# Altium PCB Copy of GameBoard_V1I1_083018.PcbDoc (part 9 of 21) (continued)
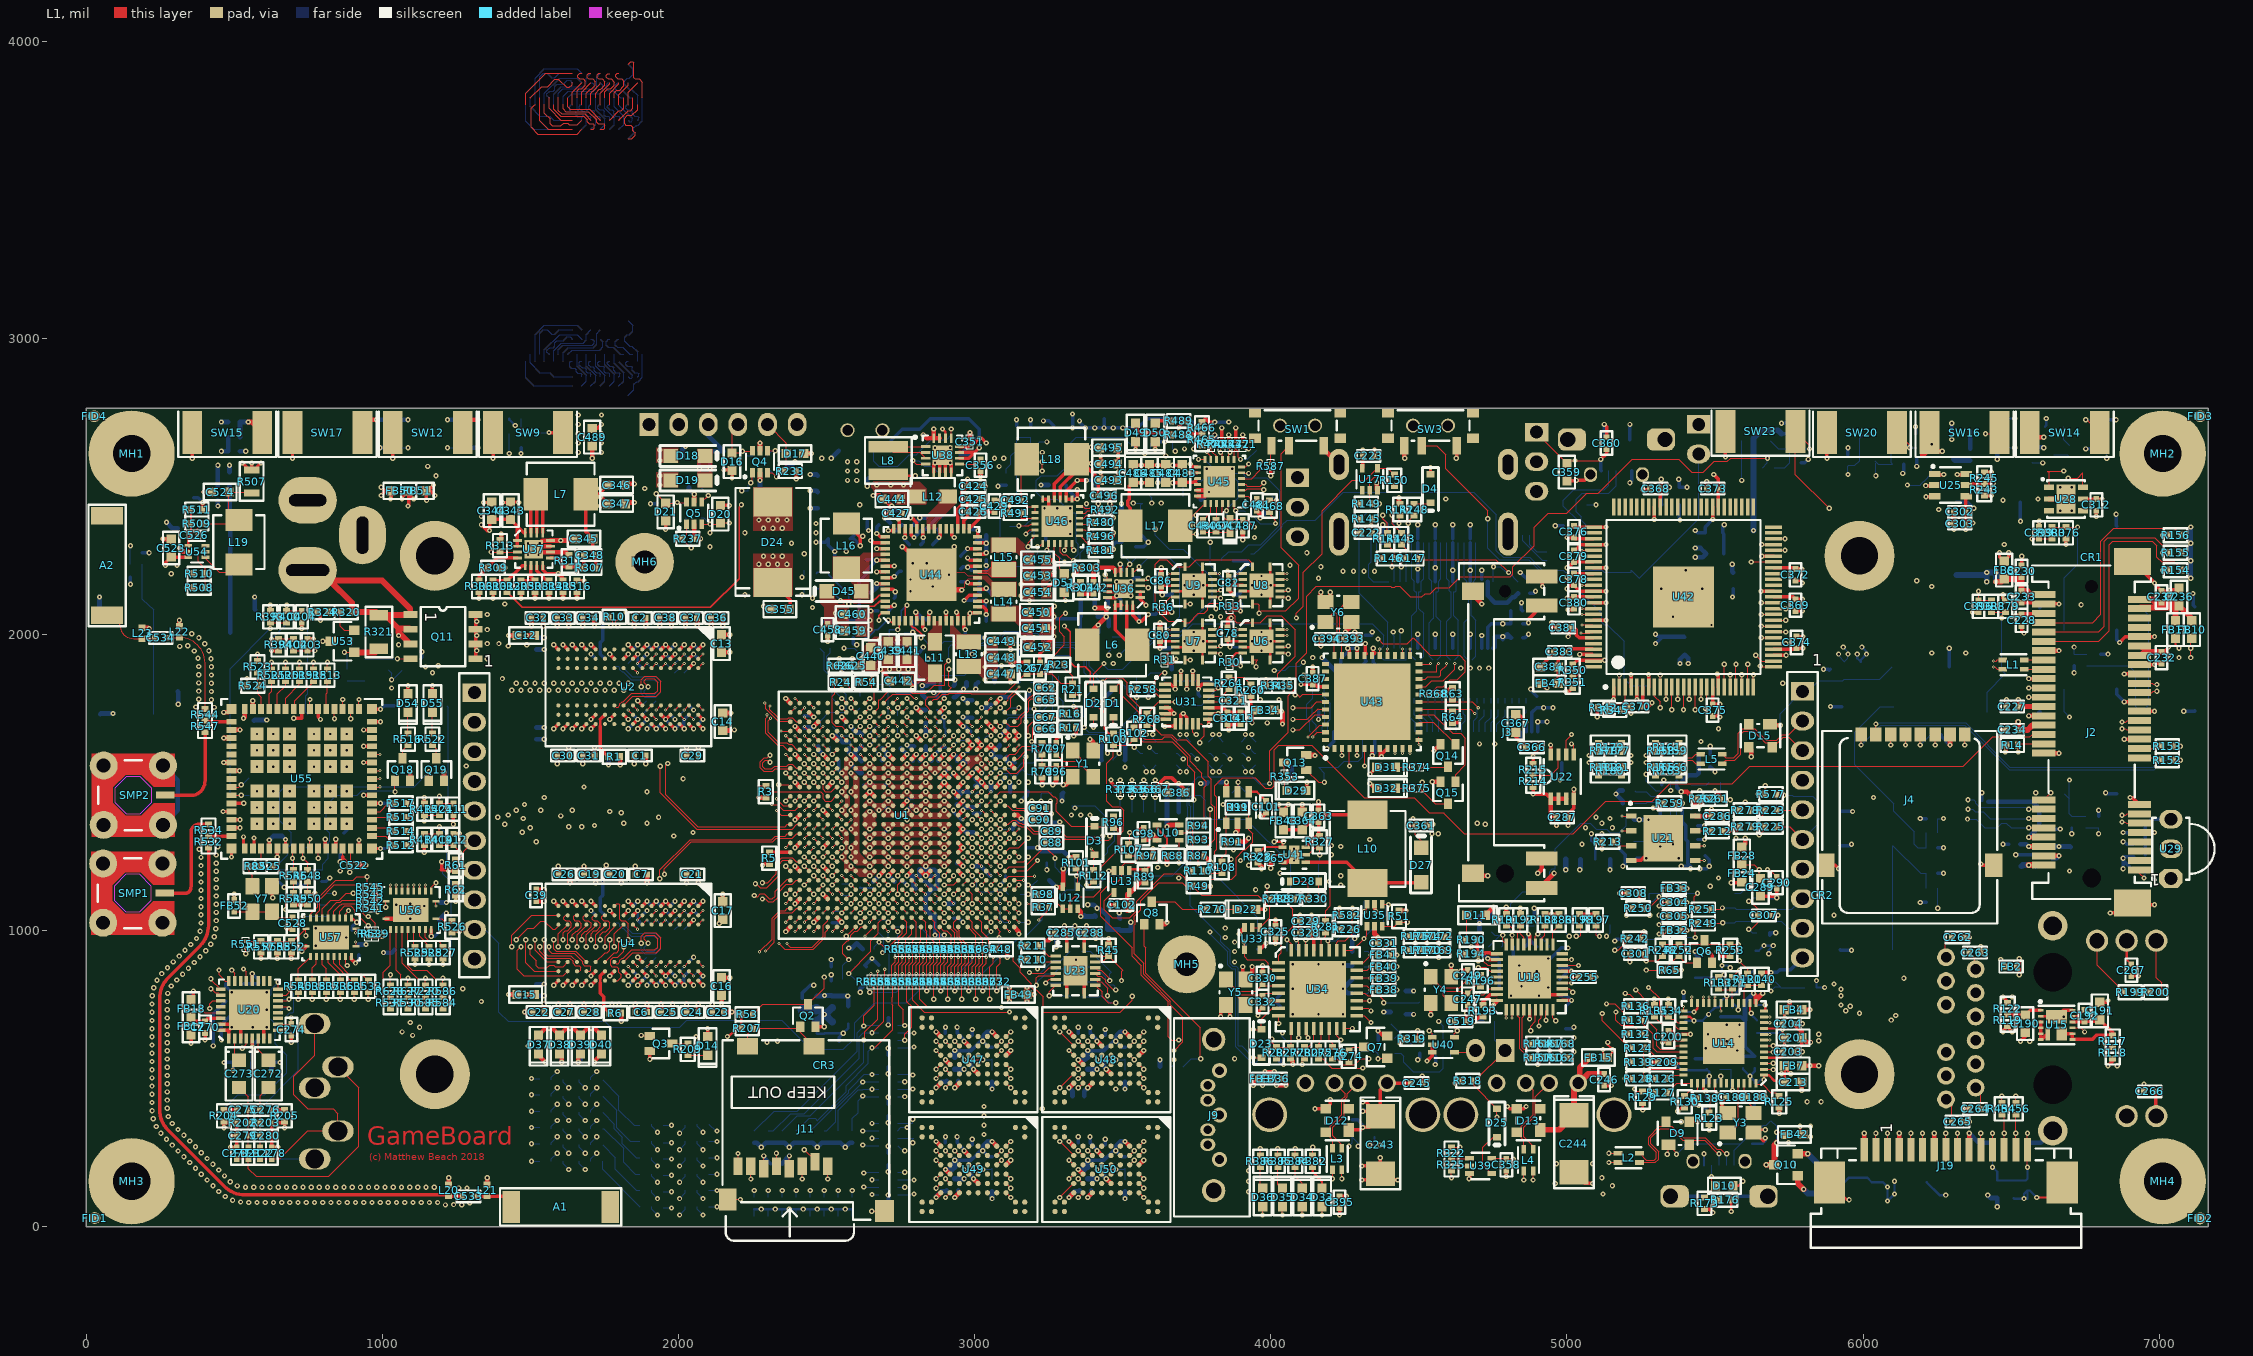
[diagram p0: L1 view]
## Nets (pads, with @x,y where several pads share a name; then routed paths per layer and width w, separated by ;. In a path a pad name is that pad's centre, name@x,y a point inside that pad or via, vN(x,y) a via of type N, cw(c..) or ccw(c..) an arc to the next point about the centre after c; other vN are vias at no path point) (continued)
BUT_LR: R379.1 R388.2 SW7.3 SW7.4 | length 490.3
  L1 w3.94: R388.2@6433.07,2074.8 R379.1@6480.32,2074.8 6468.5,2062.99 v1(6468.5,2055.12)
  L12 w3.94: SW7.3@6419.29,1737.2 6419.29,1805.12 6480.31,1866.14 6468.5,1877.95 v1(6468.5,2055.12) 6468.5,2066.93 6445.87,2089.57 SW7.4@6419.29,2089.57
BUT_LU: R376.1 R380.2 SW4.3 SW4.4 | length 501.3
  L1 w3.94: R380.2@6637.8,2362.2 R376.1@6685.04,2362.2 v1(6724.41,2362.2)
  L12 w3.94: SW4.3@6679.13,2012.8 6679.13,2190.94 6724.41,2236.22 v1(6724.41,2362.2) 6682.09,2362.2 SW4.4@6679.13,2365.16
BUT_R1: R406.1 R409.2 SW15.2 | length 140.7
  L1 w15.75: v1(547.24,2716.54) 559.06,2716.54 SW15.2@594.49,2681.1
  L12 w15.75: R409.2@519.69,2665.35 R406.1@519.69,2716.54 v1(547.24,2716.54)
BUT_R2: R407.1 R412.2 SW17.2 | length 170.2
  L1 w15.75: SW17.2@933.07,2681.1 933.07,2712.6 944.88,2724.41 v1(980.32,2724.41)
  L12 w15.75: v1(980.32,2724.41) R407.1@1015.75,2724.41 R412.2@1015.75,2673.23
BUT_RD: R393.1 R400.2 SW10.3 SW10.4 | length 696
  L1 w3.94: v1(622.05,2019.68) R393.1@622.05,2039.37 R400.2@677.17,2039.37
  L12 w3.94: SW10.4@486.22,1454.72 SW10.3@486.22,1807.09 486.22,1883.86 v1(622.05,2019.68)
BUT_RL: R394.1 R402.2 SW11.3 SW11.4 | length 591.8
  L1 w3.94: v1@629.92,1984.25 R402.2@700.79,1984.25
  L12 w3.94: v1(625.98,1984.25) 724.41,2082.68 SW11.3@748.03,2082.68 748.03,1799.42 741.14,1792.53 741.14,1737.2 SW11.4@748.03,1730.31
BUT_RR: R395.1 R403.2 SW13.3 SW13.4 | length 523.4
  L12 w3.94: R403.2@188.98,2236.22 R395.1@188.98,2192.91 188.98,2118.11 228.35,2082.68 SW13.4@228.35,1730.31
BUT_RU: R392.1 R398.2 SW8.3 SW8.4 | length 494.9
  L12 w15.75: R398.2@484.25,2500 484.25,2360.24 SW8.3@486.22,2358.27 SW8.4@486.22,2005.91
BUT_SEL_L1: R422.1 R424.2 SW21.3 SW21.4 | length 554.5
  L12 w3.94: SW21.4@6100.39,934.06 SW21.3@6100.39,1286.42 6193.9,1192.91 R422.1@6212.6,1192.91 R424.2@6212.6,1141.73
BUT_SEL_L2: R423.1 R428.2 SW22.3 SW22.4 | length 723.9
  L12 w3.94: SW22.3@6104.33,1754.92 6058.07,1754.92 5972.44,1669.29 5972.44,1559.06 6104.33,1427.17 SW22.4@6104.33,1402.56 6173.23,1333.66 6173.23,1291.34 6185.04,1279.53 R423.1@6212.6,1279.53 R428.2@6212.6,1330.71
BUT_SEL_R1: R414.1 R419.2 SW18.3 SW18.4 | length 525.4
  L1 w3.94: R414.1@1141.73,1326.77 R419.2@1192.91,1326.77 v1(1192.91,1350.39)
  L12 w3.94: v1(1192.91,1350.39) 1218.5,1324.8 SW18.3@1218.5,1286.42 1218.5,1224.11 1203.74,1209.35 1203.74,1192.23 1232.28,1163.68 1232.28,947.83 SW18.4@1218.5,934.06
BUT_SEL_R2: R415.1 R421.2 SW19.3 SW19.4 | length 522
  L1 w3.94: v1(1141.73,1370.08) R415.1@1141.73,1389.76 R421.2@1192.91,1389.76
  L12 w3.94: v1(1141.73,1370.08) 1178.15,1406.5 SW19.4@1218.5,1406.5 1223.43,1406.5 1223.43,1753.94 SW19.3@1218.5,1758.86
CAN_N: C309.1 J12.8 R246.1 R251.2 U26.6 | length 334.4
  L1 w3.94: R251.2@5480.32,1070.87 5519.69,1070.87 v1(5525,1076.18)
  L12 w3.94: v1(5525,1076.18) U26.6@5566.93,1076.18 5572.24,1070.87 R246.1@5641.73,1070.87 C309.1@5685.04,1070.87 5759.06,1070.87 J12.8@5795.28,1107.09
CAN_P: C306.1 J12.9 R241.2 R249.2 U26.7 | length 328.3
  L1 w3.94: R249.2@5480.32,1023.62 5523.62,1023.62 v1(5526.18,1026.18)
  L12 w3.94: v1(5526.18,1026.18) U26.7@5566.93,1026.18 5572.24,1031.5 R241.2@5641.73,1031.5 C306.1@5685.04,1031.5 5724.41,1031.5 5748.82,1007.09 J12.9@5795.28,1007.09
CFF: C192.2 U15.11 | length 49.9
  L1 w7.87: U15.11@6707.09,710.63 6726.38,710.63 C192.2@6748.03,732.28
CHARGE_C\E\: R474.1 R480.2 TP50.1 U1.R22 U45.9 | length 3805.8
  L1 w3.66: U1.R22@2692.91,1106.3 v2(2708.66,1090.55) ; R480.2@3444.88,2377.95 3444.88,2374.02 3464.57,2393.7 v1(3468.5,2393.7) ; R474.1@3834.65,2631.3 3830.71,2627.36 v1(3830.71,2614.17) 3836.61,2608.27 U45.9@3836.61,2590.55
  L3 w3.66: v1(2106.3,2295.28) 2334.65,2295.28 2346.46,2307.09 v1(2381.89,2307.09) ; v1(2612.2,2437.01) 2677.17,2437.01 2696.85,2456.69 2865.94,2456.69 2936.8,2385.83 3200.79,2385.83 3228.35,2358.27 3266.59,2396.52 3328.89,2396.52 3337.46,2387.95 3337.46,2373.58 3357.77,2353.27 3428.08,2353.27 v1(3468.5,2393.7)
  L10 w3.66: v1(2106.3,2295.28) 2222.42,2179.15 2274.34,2179.15 2325.22,2128.28 2325.22,2091.63 2488.62,1928.24 2488.62,1763.03 2496.21,1755.43 2496.21,1702.38 2551.05,1647.54 2551.05,1641.73 2568.47,1624.31 2615.85,1624.31 2636.4,1603.76 2654.88,1603.76 2661.35,1610.24 2716.54,1610.24 2728.4,1598.37 2728.4,1370.02 2736.22,1362.2 2736.22,1248.03 2755.91,1228.35 2755.91,1180.1 2741.16,1165.35 2740.16,1165.35 2740.16,1142.73 2708.66,1111.24 v2(2708.66,1090.55) ; v1(2381.89,2307.09) 2381.89,2311.89 2449.94,2379.95 2449.94,2380.07 2458.51,2388.64 2458.64,2388.64 2522.75,2452.76 2629.92,2452.76 2614.17,2437.01 v1(2612.2,2437.01) ; v1(3468.5,2393.7) 3641.73,2393.7 3830.71,2582.68 v1(3830.71,2614.17)
  L12 w3.66: TP50.1@3429.13,2401.57 3437.01,2393.7 v1(3468.5,2393.7)
CHARGE_C\E\2: R480.1 U46.9 | length 53.6
  L1 w3.94: U46.9@3354.33,2372.05 3399.61,2372.05 R480.1@3405.51,2377.95
CHARGE_INT: R472.1 R481.2 TP48.1 U1.T25 U45.7 | length 6633.8
  L1 w3.94: v3(2629.92,980.31) U1.T25@2661.42,1011.81 ; v1(3385.83,2283.46) R481.2@3405.51,2283.46 ; U45.7@3875.98,2590.55 3876.97,2591.54 3876.97,2619.88 3881.89,2624.8 3889.76,2616.93 3889.76,2598.43 v1(3897.64,2590.55)
  L3 w3.94: v2(1425.2,1960.63) 1451.56,1960.63 1456.69,1955.5 1379.15,1877.95 1261.19,1877.95 1232.28,1849.04 1232.28,1584.03 1248.03,1568.28 1248.03,1386.5 1287.23,1347.3 1345.61,1347.3 1374.86,1318.05 1374.86,1157.31 1401.57,1130.6 1401.57,882.57 1398.62,879.61 1398.62,778.54 1521.77,655.39 1556.01,655.39 1556.88,654.53 1710.84,654.53 1721.8,665.49 1894.38,665.49 1957.51,602.36 2184.36,602.36 2235.55,653.54 2374.13,653.54 2486.33,765.75 2499.22,765.75 2560.04,826.56 2560.04,933.34 2560.78,934.08 2560.04,934.83 2560.04,947.06 2568.69,955.71 2581.69,955.71 v4(2618.11,992.13) ; v1(1885.83,2492.13) 1888.78,2489.17 1944.57,2489.17 2002.64,2547.24 2038.18,2547.24 2064.75,2573.82 2155.72,2573.82 2166.55,2562.99 2227.67,2562.99 2247.36,2543.31 2273.45,2543.31 2276.4,2546.26 2346.26,2546.26 2371.9,2520.62 2374.91,2523.62 2378.73,2523.62 2391.52,2510.83 2403.75,2510.83 2416.55,2523.62 2518.33,2523.62 2518.33,2505.29 2602.36,2421.26 2664,2421.26 2667.94,2417.32 2894.37,2417.32 2933.6,2378.09 3039.23,2378.09 3188.98,2228.35 3342.52,2228.35 3385.83,2271.65 v1(3385.83,2283.46) 3403.6,2283.46 3440.02,2319.88 3492.43,2319.88 3499.32,2326.77 3738.96,2326.77 3741.92,2323.82 3754.15,2323.82 3776.78,2346.46 3925.2,2346.46 v1(3944.88,2326.77)
  L10 w3.94: v2(1425.2,1960.63) 1431.1,1960.63 1441.93,1971.46 1441.93,2002.18 1433.07,2011.04 1433.07,2120.08 1805.12,2492.13 v1(1885.83,2492.13) ; v1(3897.64,2590.55) 3897.64,2374.02 v1(3944.88,2326.77)
  L2 w3.94: v4(2618.11,992.13) v3(2629.92,980.31)
  L12 w3.94: v1(3897.64,2590.55) 3921.26,2590.55 TP48.1@3952.76,2622.05
CHARGE_INT2: R481.1 U46.7 | length 110.9
  L1 w3.94: U46.7@3354.33,2332.68 3356.3,2332.68 3385.83,2303.15 3425.2,2303.15 R481.1@3444.88,2283.46
COMP_1V375: C342.2 R303.2 U36.8 | length 137.5
  L1 w15.75: C342.2@3401.57,2177.17 3401.57,2220.47 R303.2@3397.64,2224.41 3468.5,2224.41 3474.41,2218.5 U36.8@3474.41,2209.05
COMP_3V3_HDR: C349.2 R315.2 U37.8 | length 134.2
  L1 w11.81: U37.8@1541.34,2231.89 1541.34,2218.5 1555.12,2204.72 v1(1594.49,2204.72) 1610.24,2188.98 R315.2@1610.24,2181.1
  L12 w11.81: v1(1594.49,2204.72) 1594.49,2200.79 C349.2@1614.17,2181.1
COMP_BYP: C322.1 C323.1 U30.2 | length 93.2
  L12 w3.66: C323.1@5228.35,1429.13 C322.1@5267.72,1429.13 5271.65,1433.07 U30.2@5319.88,1433.07
COMP_C1: C320.1 U30.15 | length 53.1
  L12 w3.94: C320.1@5358.27,1354.33 5370.08,1366.14 U30.15@5370.08,1402.56
COMP_CRST: C324.1 R263.2 U30.8 | length 130.5
  L12 w15.75: U30.8@5389.76,1502.95 5389.76,1503.94 5409.45,1523.62 5437.01,1523.62 5444.88,1531.5 R263.2@5444.88,1594.49
COMP_INT: R47.1 R255.2 R257.2 U1.N25 | length 4178.6
  L1 w3.94: v2(2677.17,960.63) 2692.77,945.03 2710,945.03 2755.91,990.93 U1.N25@2755.91,1011.81
  L3 w3.94: v2(2677.17,960.63) 2660.07,960.63 2622.05,922.61 2622.05,861.48 2641.69,841.83 2695.2,841.83 2747.07,893.7 3056.7,893.7 3119.69,830.71 3215.99,830.71 3233.69,848.41 3265.76,848.41 3291.34,822.83 3359.32,822.83 3434.12,897.64 3514.23,897.64 3521.55,890.31 3532.49,890.31 3662.83,759.98 3774.46,759.98 3834.51,820.03 3834.51,896.82 3846.46,908.77 v1(3846.46,976.38) v1@3846.46,984.25 ; v1(3874.02,1271.65) 3880.91,1271.65 3882.38,1270.18 3899.61,1287.4 3966.59,1287.4 3993.17,1260.83 4022.64,1260.83 4032.48,1250.98 4111.22,1250.98 4129.92,1232.28 4250.98,1232.28 4286.42,1267.72 5060.43,1267.72 5101.17,1308.46 5136.42,1308.46 5173.23,1345.26 5173.23,1347.65 5159.66,1361.22 5158.46,1361.22 5145.67,1374.02 v1(5145.67,1377.95)
  L10 w3.94: v1(3846.46,976.38) 3846.46,984.25 3846.46,986.99 3831.69,1001.76 3831.69,1013.99 3838.58,1020.88 3838.58,1077.39 3815.94,1100.03 3815.94,1229.33 3858.27,1271.65 v1(3874.02,1271.65) ; v1(5145.67,1377.95) 5185.04,1338.58 5290.35,1443.9 5548.23,1443.9 v1(5551.18,1440.94)
  L12 w3.94: R47.1@2661.42,937.01 2661.42,944.88 v2(2677.17,960.63) ; R255.2@5519.69,1500 R257.2@5519.69,1444.88 5547.24,1444.88 v1(5551.18,1440.94)
COMP_INT1: R257.1 U30.11 | length 63.3
  L12 w3.94: U30.11@5420.28,1452.76 5472.44,1452.76 R257.1@5480.32,1444.88
COMP_INT2: R255.1 U30.9 | length 63.3
  L12 w3.94: U30.9@5420.28,1492.13 5472.44,1492.13 R255.1@5480.31,1500
COMP_RST: R265.2 U30.16 U32.4 | length 196.6
  L12 w3.94: U32.4@5226.38,1301.18 5269.69,1301.18 R265.2@5275.59,1307.09 5299.21,1330.71 5330.71,1330.71 5334.65,1334.65 5334.65,1370.08 5350.39,1385.83 U30.16@5350.39,1402.56
COMP_SA1: R261.1 R262.1 U30.10 | length 71.5
  L1 w3.94: v1(5448.82,1472.44) 5476.38,1444.88 R261.1@5480.31,1444.88
  L12 w3.94: U30.10@5420.28,1472.44 v1(5448.82,1472.44)
CPU_BT_EN: R623.1 U1.B20 | length 5562.8
  L1 w3.66: U1.B20@3102.36,1169.29 3116,1182.93 v3(3202.62,1182.93)
  L3 w3.66: v1(732.28,1047.24) 712.6,1027.56 712.6,988.19 850.39,850.39 940.94,850.39 1040.49,750.85 1040.49,749.85 1053,737.34 1352.14,737.34 1441.83,647.66 1552.81,647.66 1553.67,646.79 1714.04,646.79 1714.91,647.66 1722.42,647.66 1783.46,586.61 2468.5,586.61 2535.43,519.68 2535.43,249.58 2556.25,228.76 2709.07,228.76 2889.76,409.45 2990.41,409.45 3016.85,435.89 3044.08,435.89 3112.15,367.81 3240.7,367.81 3250.84,377.95 3283.46,377.95 3314.69,409.17 3637.8,409.17 3795.55,566.93 v1(3877.95,566.93)
  L3 w3.94: v4(3214.43,1171.12) 3230.45,1171.12 3240.16,1161.42 3283.19,1161.42 3305.83,1138.78 3384.07,1138.78 3398.83,1153.54 3686.23,1153.54 3710.84,1178.15 3749.34,1178.15 3764.1,1192.91 3827.25,1192.91 3860.6,1159.57 3927.05,1159.57 v1(3948.82,1137.8)
  L10 w3.94: v1(3877.95,566.93) 3877.95,603.23 3885.69,610.97 3885.69,695.78 4010.83,820.91 4010.83,871.06 3937.01,944.88 3937.01,1060.41 3948.82,1072.22 v1(3948.82,1137.8)
  L2 w3.94: v3(3202.62,1182.93) v4(3214.43,1171.12)
  L12 w3.66: v1(732.28,1047.24) R623.1@814.96,1047.24
CPU_GPIO0: R280.2 U1.D18 | length 2323.8
  L1 w3.66: U1.D18@3039.37,1232.28 v3(3055.12,1216.54) ; v1(4106.3,547.24) 4106.3,559.05 R280.2@4114.17,566.93
  L3 w3.66: 3070.87,1232.28 v4(3066.93,1228.35) 3069.74,1231.16 3092.67,1231.16 3098.3,1225.53 3181.23,1225.53 3210.48,1254.78 3255.91,1254.78 3263.5,1262.38 3280.93,1262.38 3294.42,1248.88 3294.42,1246.22 3308.49,1232.15 3540.61,1232.15 3560.15,1212.6 v1(3618.11,1212.6)
  L10 w3.66: v1(3618.11,1212.6) 3676.04,1154.67 3725.86,1154.67 3783.26,1212.07 3783.26,1223.61 3780.65,1226.23 3780.65,1238.34 3825.77,1283.46 3834.65,1283.46 3837.46,1286.28 3980.54,1286.28 4028.91,1334.65 4142.6,1334.65 4150.34,1326.91 4182.11,1326.91 4197.58,1342.38 4203.99,1342.38 4219.46,1326.91 4236.08,1326.91 4248.17,1314.82 4248.17,1310.47 4263.64,1295 4263.64,1238.92 4248.17,1223.45 4248.17,1193.77 4250.85,1191.1 4250.85,1181.16 4267.44,1164.56 4267.44,1144.52 4251.97,1129.05 4251.97,960.98 4267.44,945.51 4267.44,692.96 4251.65,677.17 4204.72,677.17 4204.72,645.67 v1(4106.3,547.24)
  L2 w3.94: v3(3055.12,1216.54) v4(3066.93,1228.35)
CPU_GPIO1: R281.2 U1.E18 | length 1499.7
  L1 w3.66: U1.E18@3007.87,1232.28 v3(3023.62,1216.54)
  L1 w3.94: R281.2@4185.04,1031.5 4185.04,1066.93 4200.79,1082.68 4200.79,1161.42 v1(4196.85,1165.35)
  L3 w3.66: v4(3035.43,1228.35) 3038.25,1231.16 3038.25,1251.85 3049.06,1262.66 3187.23,1262.66 3194.82,1255.06 3200.01,1255.06 3207.33,1262.38 3249.51,1262.38 3257.1,1269.98 3274.98,1269.98 3276.38,1271.38 3357.29,1271.38 3381.32,1247.34 3472.99,1247.34 3481.55,1255.91 3521.26,1255.91 3537.43,1239.74 3543.75,1239.74 3559.09,1224.41 3604.96,1224.41 3651.39,1270.84 3807.39,1270.84 3816.54,1261.7 3816.54,1246.45 3816.86,1246.14 3827.8,1246.14 3832.38,1241.55 3832.38,1231.74 3873.47,1190.65 3939.92,1190.65 3953.68,1176.89 4011.49,1176.89 4035.89,1152.49 4074.1,1152.49 4094.56,1172.95 4189.25,1172.95 v1(4196.85,1165.35)
  L2 w3.94: v3(3023.62,1216.54) v4(3035.43,1228.35)
CPU_GPIO2: R282.2 U1.E23 | length 1605.9
  L1 w3.66: U1.E23@3007.87,1074.8 v2(3023.62,1059.06)
  L1 w3.94: v1(3984.25,598.43) 4015.75,566.93 R282.2@4019.69,566.93
  L3 w3.66: v2(3023.62,1059.06) 3023.62,993 3063.72,952.89 3087.48,952.89 3127.66,912.71 3127.66,898.5 3140.33,885.83 3370.22,885.83 3385.96,901.57 3401.57,901.57 3428.86,928.86 3526.77,928.86 3534.37,921.26 3590.24,921.26 3663.57,994.59 v1(3794.8,994.59)
  L12 w3.66: v1(3794.8,994.59) 3788.45,994.59 3855.45,927.59 3855.45,884.38 3868.63,871.2 3880.77,871.2 3882.03,869.94 3882.03,607.03 3941.82,547.24 3985.12,590.55 3984.25,591.42 v1(3984.25,598.43)
CPU_WIFI_LS_EN: R551.1 U1.C19 | length 6725
  L1 w3.66: U1.C19@3070.87,1200.79 v3(3086.61,1185.04)
  L1 w3.94: v1(539.37,921.26) R551.1@539.37,942.32
  L3 w3.94: v1(1413.39,2102.36) 1472.44,2102.36 1488.19,2118.11 1488.19,2141.73 1500,2153.54 2157.48,2153.54 2181.1,2177.17 2370.08,2177.17 2409.45,2216.54 2409.45,2255.91 v1(2425.2,2271.65) ; v4(3098.43,1173.23) 3133.86,1173.23 3152.95,1192.32 3224.48,1192.32 3243.58,1173.23 3282.51,1173.23 3294.32,1161.42 3364.95,1161.42 3371.84,1168.31 3397.27,1168.31 3398.96,1166.61 3678.43,1166.61 v1(3688.98,1177.17)
  L10 w3.94: v1(539.37,921.26) 618.11,921.26 729.33,1032.48 738.4,1032.48 741.35,1035.43 811.02,1035.43 845.47,1000.98 936.6,1000.98 941.62,1006 946.64,1000.98 958.87,1000.98 967.52,1009.63 967.52,1021.86 962.5,1026.88 967.52,1031.9 967.52,1053.36 963.58,1057.3 963.58,1195.87 999.02,1231.3 1008.86,1231.3 1008.86,1753.16 1000,1762.02 1000,1858.27 1044.09,1902.36 1057.1,1902.36 1060.25,1905.51 1159.45,1905.51 1160.43,1904.53 1160.43,1883.65 1151.78,1875 1150.59,1875 1149.61,1874.02 1149.61,1862.2 1161.42,1850.39 1181.1,1850.39 1216.54,1885.83 1216.54,1913.39 1232.28,1929.13 1326.77,1929.13 1338.58,1940.94 1389.76,1940.94 1410.43,1961.61 1410.43,2099.41 v1(1413.39,2102.36) ; v1(2425.2,2271.65) 2531.5,2165.35 2582.68,2165.35 2591.54,2156.5 2677.87,2156.5 2708.39,2125.98 2717.99,2125.98 2722.91,2121.06 2726.59,2121.06 2743.11,2104.54 2743.11,2092.31 2740.16,2089.36 2740.16,2086.61 2762.59,2086.61 2765.54,2083.66 2777.77,2083.66 2786.42,2092.31 2786.42,2093.5 2855.31,2093.5 2885.83,2062.99 2894.48,2062.99 2897.43,2060.04 2912.4,2060.04 2953.74,2018.7 2953.74,2009.63 2962.39,2000.98 2974.62,2000.98 2987.88,2014.25 3057.38,2014.25 3099.18,1972.44 3106.3,1972.44 3113.19,1979.33 3140.75,1979.33 3154.53,1993.11 3154.53,1994.3 3163.18,2002.95 3181.1,2002.95 3184.05,2005.91 3218.09,2005.91 3248.03,1975.96 3290.93,1975.96 3318.9,2003.94 3602.36,2003.94 3649.61,1956.69 3649.61,1925.97 3674,1901.57 3674.23,1901.57 3675.21,1900.59 3702.45,1900.59 3712.29,1890.75 3758.86,1890.75 3776.14,1873.46 3846.94,1873.46 3858.2,1862.2 3964.57,1862.2 3989.17,1886.81 3989.17,1887.33 4002.43,1900.59 4021.19,1900.59 4034.45,1887.33 4034.45,1868.58 4014.49,1848.62 4014.49,1833.93 4011.81,1831.26 4011.81,1762.52 4004.92,1755.63 4004.92,1716.07 4017.01,1703.98 4017.01,1562.52 3951.81,1497.32 3950.08,1497.32 3901.57,1448.82 3789.27,1448.82 3764.3,1423.85 3764.3,1421.62 3749.02,1406.34 3749.02,1379.71 3759.84,1368.88 3759.84,1307.09 3704.61,1251.85 3704.61,1222.23 3688.98,1206.6 v1(3688.98,1177.17)
  L2 w3.94: v3(3086.61,1185.04) v4(3098.43,1173.23)
CPU_WL_EN: R546.1 R549.2 U1.V6 | length 3705.6
  L1 w3.66: v3(2582.68,1625.98) U1.V6@2598.43,1610.24
  L1 w3.94: v1(673.23,1070.87) 673.23,1098.43 R549.2@700.79,1125.98 R546.1@700.79,1165.35
  L3 w3.94: v1(673.23,1070.87) 677.17,1066.93 744.09,1066.93 803.15,1007.87 803.15,925.2 870.08,858.27 952.76,858.27 1031.5,779.53 1236.9,779.53 1256.58,759.84 v1(1334.65,759.84) ; v1(2059.06,641.73) 2059.06,662.38 2083.33,686.65 2344.13,686.65 2377.95,720.47 2412.19,720.47 2470.47,778.75 2470.47,789.89 2483.73,803.15 2497.24,803.15 2544.29,850.2 2544.29,953.58 2550.92,960.21 2550.92,966.58 2552.17,967.83 2552.17,986.43 2560.04,994.3 2560.04,1008.86 2566.93,1015.75 2566.93,1074.68 2560.32,1081.29 2560.32,1081.42 2551.18,1090.55 2551.18,1177.28 2566.81,1192.91 2579.93,1192.91 2598.7,1211.68 2598.7,1212.33 2618.11,1231.74 2618.11,1279.53 2634.84,1296.26 2651.78,1296.26 2673.23,1317.7 2673.23,1327.97 2740.16,1394.89 2740.16,1417.32 2756.89,1434.06 2756.89,1443.12 2765.54,1451.77 2813.98,1451.77 2819.88,1457.68 2819.88,1554.13 2786.42,1587.6 2786.42,1600.6 2776.79,1610.24 2748.03,1610.24 2716.54,1578.74 2685.53,1578.74 2654.04,1547.24 2637.8,1547.24 2614.17,1570.87 ; v4(2570.87,1614.17) 2567.91,1611.22 2567.91,1588.37 2576.56,1579.72 2586.82,1579.72 2595.09,1571.46 2614.17,1571.46
  L10 w3.94: v1(1334.65,759.84) 1334.65,716.54 1326.77,708.66 1363.74,671.69 1393.7,671.69 1435.47,629.92 1712,629.92 1763.18,578.74 1846.46,578.74 1877.95,547.24 1980.31,547.24 2059.06,625.98 v1(2059.06,641.73)
  L2 w3.94: v4(2570.87,1614.17) v3(2582.68,1625.98)
CPU_XTALI: C96.1 R77.1 R79.1 U1.A7 Y1.3 | length 341.5
  L1 w3.94: U1.A7@3133.86,1578.74 3145.67,1578.74 3158.46,1591.54 3158.46,1592.73 3175.97,1610.24 3212.6,1610.24 R77.1@3228.35,1594.49 R79.1@3228.35,1555.12 C96.1@3275.59,1555.12 3364.17,1555.12 Y1.3@3400.59,1518.7
CPU_XTALO: C97.1 R77.2 U1.B7 Y1.1 | length 352.2
  L1 w3.94: U1.B7@3102.36,1578.74 3118.11,1594.49 3137.6,1594.49 3147.64,1604.53 3147.64,1608.27 3154.13,1614.76 3154.25,1614.76 3160.83,1621.34 3160.83,1621.46 3215.95,1621.46 R77.2@3228.35,1633.86 3236.22,1633.86 C97.1@3275.59,1594.49 3299.21,1570.87 3354.33,1570.87 3358.27,1574.8 3358.27,1580.71 Y1.1@3331.69,1607.28
CSI_CLK0_N: R453.1 U1.F4 | length 1162.3
  L1 w3.94: U1.F4@2976.38,1673.23 v3(2992.13,1657.48)
  L3 w3.94: v4(3003.94,1669.29) 3003.94,1684.92 3019.68,1700.67 3019.68,1708.78 3040.23,1729.33 3172.24,1729.33 3208.66,1692.91 3213.27,1692.91 3292.01,1614.17 3342.52,1614.17 3403.21,1553.49 3462.94,1553.49 3482.62,1573.17 3517.9,1573.17 3528.08,1562.99 3633.86,1562.99 3685.04,1511.81 3691.56,1511.81 3841.33,1511.81 3853.14,1523.62 3887.02,1523.62 3895.88,1514.76 3915.35,1514.76 v1(3936.02,1535.43)
  L2 w3.94: v3(2992.13,1657.48) v4(3003.94,1669.29)
  L12 w3.94: v1(3936.02,1535.43) 3936.02,1546.26 R453.1@3948.82,1559.06
CSI_CLK0_P: R457.1 U1.F3 | length 1143.1
  L1 w3.94: U1.F3@2976.38,1704.73 v3(2992.13,1688.98)
  L3 w3.94: v4(3003.94,1700.79) 3011.81,1708.66 3011.81,1716.54 3003.94,1724.41 3003.94,1728.35 3007.87,1732.28 3011.81,1732.28 3015.75,1728.35 3019.96,1724.13 3023.9,1724.13 3036.97,1737.2 3175.51,1737.2 3211.92,1700.79 3216.54,1700.79 3295.28,1622.05 3345.78,1622.05 3350.39,1617.43 3406.47,1561.36 3459.67,1561.36 3479.36,1581.05 3521.16,1581.05 3531.34,1570.87 3637.12,1570.87 3688.3,1519.69 3838.06,1519.69 3849.88,1531.5 3890.28,1531.5 3899.14,1522.64 3901.57,1522.64 v1(3914.37,1535.43)
  L2 w3.94: v3(2992.13,1688.98) v4(3003.94,1700.79)
  L12 w3.94: R457.1@3901.57,1559.06 3914.37,1546.26 v1(3914.37,1535.43)
CSI_CLK0_R_N: J19.8 R453.2 R455.2 | length 4505.4
  L1 w3.94: J19.8@6279.53,259.84 v1(6279.53,314.96)
  L3 w3.94: v1(3925.2,1618.11) 3940.95,1602.36 3940.95,1598.43 3950.17,1589.2 3969.85,1589.2 3984.25,1574.8 4248.03,1574.8 4263.78,1590.55 4263.78,1618.11 4307.09,1661.42 4322.83,1661.42 4531.5,1661.42 4755.91,1437.01 5057.14,1437.01 5061.08,1440.94 5224.41,1440.94 5262.15,1403.21 5268.7,1396.65 5284.97,1396.65 5306.1,1375.52 5306.1,1359.77 5306.1,1343.5 5313.39,1336.22 5483.35,1336.22 5559.06,1260.52 5959.95,1260.52 6165.35,1055.12 6483.58,1055.12 6499.32,1039.37 6499.32,822.83 6748.03,574.13 6748.03,540.72 6767.72,521.04 6767.72,280.2 6728.35,240.83 6664.68,177.17 6358.94,177.17 6295.28,240.83 6295.28,299.21 v1(6279.53,314.96)
  L12 w3.94: v1(3925.2,1618.11) 3944.88,1598.43 R453.2@3948.82,1598.43
CSI_CLK0_R_P: J19.9 R457.2 R460.2 | length 4455.9
  L1 w3.94: J19.9@6318.9,259.84 v1(6318.9,314.96)
  L3 w3.94: v1(3925.2,1578.74) 3929.13,1582.68 3945.56,1582.68 3946.91,1581.33 3966.59,1581.33 3980.99,1566.93 4251.29,1566.93 4271.65,1587.29 4271.65,1614.85 4310.35,1653.54 4528.23,1653.54 4752.64,1429.13 5060.41,1429.13 5064.34,1433.07 5221.15,1433.07 5265.44,1388.78 5281.71,1388.78 5298.23,1372.26 5298.23,1356.51 5298.23,1344.28 5296.21,1342.26 5302.25,1336.22 5310.12,1328.35 5480.09,1328.35 5555.79,1252.64 5956.69,1252.64 6162.09,1047.24 6480.32,1047.24 6491.45,1036.11 6491.45,819.57 6740.16,570.87 6740.16,537.46 6759.84,517.77 6759.84,283.46 6661.42,185.04 6362.2,185.04 6303.15,244.09 6303.15,299.21 v1(6318.9,314.96)
  L12 w3.94: R457.2@3901.57,1598.43 3905.51,1598.43 v1(3925.2,1578.74)
CSI_D0_N: R443.1 U1.E4 | length 716.4
  L1 w3.94: U1.E4@3007.87,1673.23 v3(3023.62,1688.98)
  L3 w3.94: v4(3035.43,1677.17) 3040.35,1682.09 3040.35,1695.09 3049,1703.74 3079.74,1703.74 ; 3079.74,1704.01 3095.78,1704.01 3126.56,1673.23 3185.71,1673.23 3186.7,1672.24 3187.22,1672.24 3195.87,1663.6 3195.87,1663.08 3268.39,1590.55 3330.71,1590.55 3397.64,1523.62 3530.82,1523.62 3541,1533.8 3549.52,1542.32 3572.83,1542.32 v1(3579.72,1535.43)
  L2 w3.94: v3(3023.62,1688.98) v4(3035.43,1677.17)
  L12 w3.94: R443.1@3566.93,1559.06 3579.72,1546.26 v1(3579.72,1535.43)
CSI_D0_P: R445.1 U1.E3 | length 724.1
  L1 w3.94: U1.E3@3007.87,1704.73 v3(3023.62,1720.47)
  L3 w3.94: v4(3035.43,1708.66) 3038.39,1711.61 3076.2,1711.61 3076.48,1711.89 3083,1711.89 3099.04,1711.89 3129.82,1681.1 3188.98,1681.1 3189.96,1680.12 3190.48,1680.12 3203.74,1666.86 3203.74,1666.34 3271.65,1598.43 3333.97,1598.43 3400.9,1531.5 3527.56,1531.5 3545.61,1549.55 3546.26,1550.2 3585.84,1550.2 3586.49,1549.55 3587.26,1549.55 v1(3601.38,1535.43)
  L2 w3.94: v3(3023.62,1720.47) v4(3035.43,1708.66)
  L12 w3.94: v1(3601.38,1535.43) 3601.38,1546.26 R445.1@3614.17,1559.06
CSI_D0_R_N: J19.2 R443.2 R444.2 | length 5781.6
  L1 w3.94: J19.2@6043.31,259.84 v1(6043.31,314.96)
  L3 w3.94: v1(3539.37,1618.11) 3569.67,1618.11 3584.44,1632.87 3596.67,1632.87 3603.56,1625.98 3684.36,1625.98 3692.24,1618.11 3772.33,1618.11 3795.95,1641.73 3858.27,1641.73 3901.57,1685.04 3944.88,1685.04 3959.09,1670.83 3978.78,1670.83 4011.81,1637.8 4197.53,1637.8 4197.53,1638.47 4275.59,1716.54 4570.87,1716.54 4787.4,1500 4963.37,1500 4970.26,1493.11 4982.49,1493.11 4989.38,1500 5101.69,1500 5105.62,1503.94 5224.97,1503.94 5228.91,1500 5273.59,1500 5284.99,1488.6 5290.25,1488.6 5290.66,1488.19 5326.1,1452.76 5402.25,1452.76 5410.12,1460.63 5476.38,1460.63 5499.32,1437.68 5520.84,1416.17 ; 5521.99,1415.02 5578.74,1358.27 5602.36,1358.27 5662.09,1358.27 5764.45,1460.63 5960.63,1460.63 6251.97,1169.29 6624.63,1169.29 6720.47,1073.45 6720.47,1066.93 6720.47,913.39 6755.91,877.95 6755.91,755.91 6759.17,755.91 6826.1,688.98 6853.66,688.98 6885.83,656.8 6885.83,416.7 6872.06,416.7 6846.63,391.27 6846.63,355.31 6872.06,329.89 6885.83,329.89 6885.83,201.46 6834.65,150.28 6755.23,70.87 6484.93,70.87 6469.18,86.61 6440.94,86.61 6425.2,70.87 6229.02,70.87 6059.06,240.83 6059.06,299.21 v1(6043.31,314.96)
  L12 w3.94: v1(3539.37,1618.11) 3559.06,1598.43 R443.2@3566.93,1598.43
CSI_D0_R_P: J19.3 R445.2 R446.2 | length 5678.5
  L1 w3.94: J19.3@6082.68,259.84 v1(6082.68,314.96)
  L3 w3.94: v1(3590.55,1618.11) 3681.1,1618.11 3688.98,1610.24 3775.59,1610.24 3799.21,1633.86 3861.53,1633.86 3904.84,1677.17 3941.62,1677.17 3955.83,1662.95 3975.52,1662.95 4008.55,1629.92 4200.79,1629.92 4205.4,1634.53 4205.4,1635.21 4278.85,1708.66 4567.6,1708.66 4784.14,1492.13 4960.11,1492.13 4967,1485.24 4985.75,1485.24 4992.64,1492.13 5104.95,1492.13 5108.89,1496.06 5221.71,1496.06 5225.64,1492.13 5270.33,1492.13 5281.73,1480.73 5286.99,1480.73 5322.83,1444.88 5405.51,1444.88 5413.39,1452.76 5473.12,1452.76 5520.36,1405.51 5575.48,1350.39 5599.1,1350.39 5665.35,1350.39 5767.72,1452.76 5957.37,1452.76 6248.71,1161.42 6621.37,1161.42 6712.6,1070.19 6712.6,910.12 6748.03,874.69 6748.03,752.64 6752.64,748.03 6755.91,748.03 6822.83,681.1 6850.39,681.1 6877.95,653.54 6877.95,424.57 6868.8,424.57 6838.76,394.53 6838.76,352.05 6868.8,322.01 6877.95,322.01 6877.95,204.72 6751.97,78.74 6488.19,78.74 6472.44,94.49 6437.68,94.49 6421.94,78.74 6232.28,78.74 6066.93,244.09 6066.93,299.21 v1(6082.68,314.96)
  L12 w3.94: v1(3590.55,1618.11) 3610.24,1598.43 R445.2@3618.11,1598.43
CSI_D1_N: R447.1 U1.D1 | length 884.6
  L1 w3.94: U1.D1@3039.37,1767.72 v3(3055.12,1783.46)
  L3 w3.94: v4(3043.31,1795.28) 3055.12,1795.28 3066.93,1807.09 3101.69,1807.09 3137.12,1771.65 3137.28,1771.65 3140.23,1774.61 3158.98,1774.61 3169.81,1763.78 3184.52,1763.78 3191.41,1770.67 3210.16,1770.67 3223.43,1757.41 3223.43,1756.89 3244.09,1736.22 3247.36,1736.22 3298.54,1685.04 3342.52,1685.04 3358.27,1669.29 3358.27,1661.42 3366.14,1653.54 3366.14,1633.86 3377.95,1622.05 3503.26,1622.05 3522.95,1602.36 3652.87,1602.36 3701.77,1553.46 3701.77,1549.21 v1(3715.55,1535.43)
  L2 w3.94: v4(3043.31,1795.28) v3(3055.12,1783.46)
  L12 w3.94: v1(3715.55,1535.43) 3715.55,1546.26 R447.1@3728.35,1559.06
CSI_D1_P: R449.1 U1.D2 | length 880.7
  L1 w3.94: U1.D2@3039.37,1736.22 v3(3055.12,1751.97)
  L3 w3.94: v4(3043.31,1763.78) 3062.32,1782.79 3062.32,1791.34 3070.19,1799.21 3098.43,1799.21 3133.86,1763.78 3140.54,1763.78 3143.49,1766.73 3155.72,1766.73 3166.55,1755.91 3187.78,1755.91 3194.67,1762.8 3206.9,1762.8 3215.55,1754.15 3215.55,1753.63 3240.83,1728.35 3244.09,1728.35 3295.28,1677.17 3339.26,1677.17 3350.39,1666.03 3350.39,1658.16 3358.27,1650.28 3358.27,1630.6 3374.69,1614.17 3500,1614.17 3519.69,1594.49 3649.61,1594.49 3693.9,1550.2 v1(3693.9,1535.43)
  L2 w3.94: v4(3043.31,1763.78) v3(3055.12,1751.97)
  L12 w3.94: R449.1@3681.1,1559.06 3693.9,1546.26 v1(3693.9,1535.43)
CSI_D1_R_N: J19.5 R447.2 R448.2 | length 5100.2
  L1 w3.94: J19.5@6161.42,259.84 v1(6161.42,314.96)
  L3 w3.94: v1(3751.97,1578.74) 3771.65,1578.74 3791.34,1598.43 3792.01,1598.43 3794.97,1601.38 3801.52,1607.93 3872.39,1607.93 3875.65,1611.19 3906.19,1641.73 3945.4,1641.73 3955.71,1631.42 3955.71,1620.29 3956.69,1619.3 3956.69,1618.11 3968.5,1606.3 4133.34,1606.3 4140.23,1613.19 4158.98,1613.19 4173.75,1598.43 4212.6,1598.43 4303.15,1688.98 4551.18,1688.98 4767.72,1472.44 4865.62,1472.44 4876.45,1483.27 4895.2,1483.27 4906.03,1472.44 5008.86,1472.44 5008.86,1470.26 5017.51,1461.61 5029.74,1461.61 5038.39,1470.26 5038.39,1472.44 5096.4,1472.44 5112.15,1488.19 5218.45,1488.19 5234.19,1472.44 5270.98,1472.44 5333.97,1409.45 5412.71,1409.45 5420.58,1401.57 5452.76,1401.57 5569.11,1285.22 5679.6,1285.22 5746.74,1352.36 5954.72,1352.36 6153.54,1153.54 6211.92,1153.54 6255.23,1110.24 6519.01,1110.24 6551.18,1078.06 6551.18,793.25 6655.45,688.98 6692.24,688.98 6763.78,617.44 6763.78,566.93 6803.15,527.56 6803.15,225.08 6783.46,205.4 6700.11,122.05 6299.89,122.05 6177.17,244.77 6177.17,303.15 6165.35,314.96 v1(6161.42,314.96)
  L12 w3.94: R447.2@3728.35,1598.43 3732.28,1598.43 v1(3751.97,1578.74)